# Altium PCB PCB1.PcbDoc
Units mil, origin at the board's own origin, x right, y up, seen from the top; angles counter-clockwise.
Board outline 4990 x 4025 mil, 2 copper layers (Top Layer, Bottom Layer); 70 components, 98 nets, 269 pads, 4 vias.
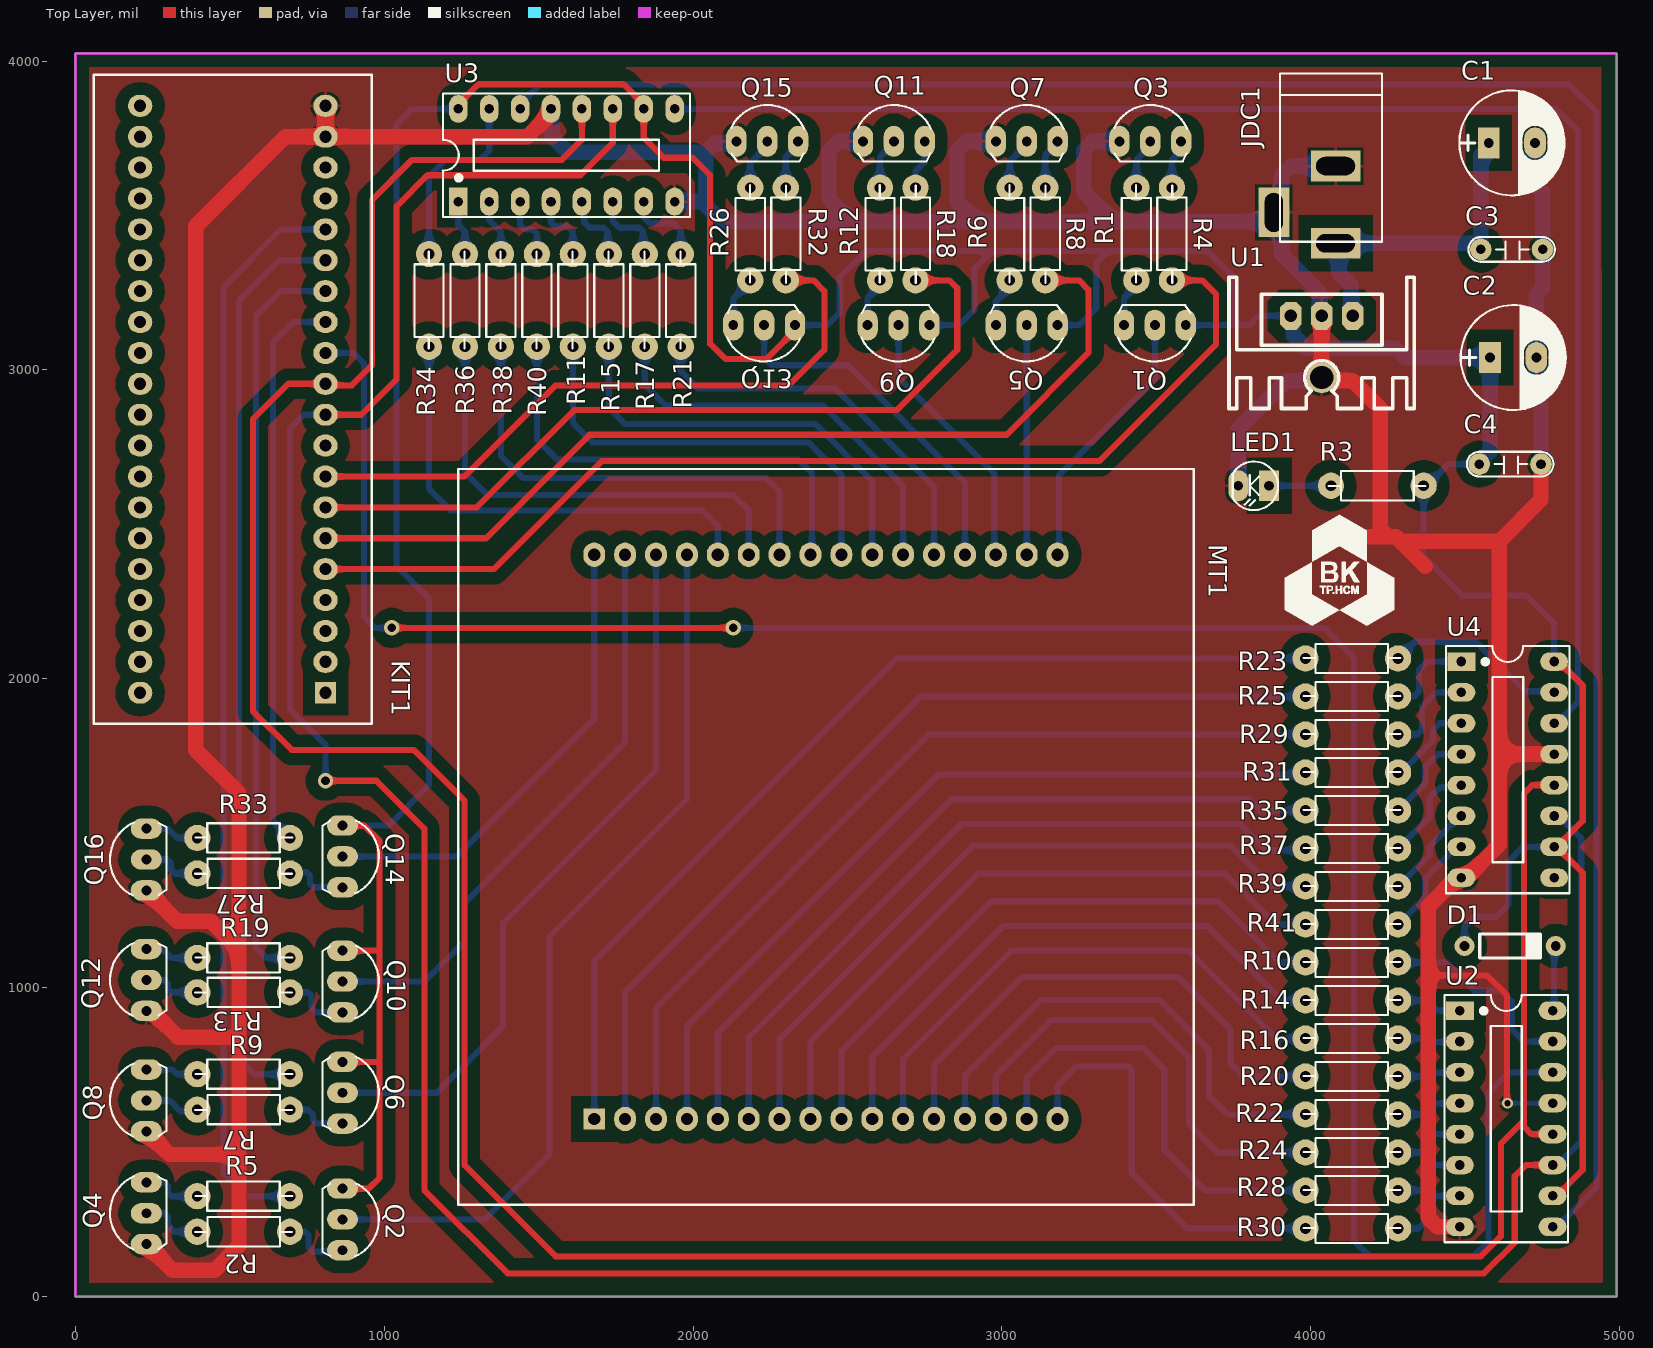
[diagram p0: Top Layer view]
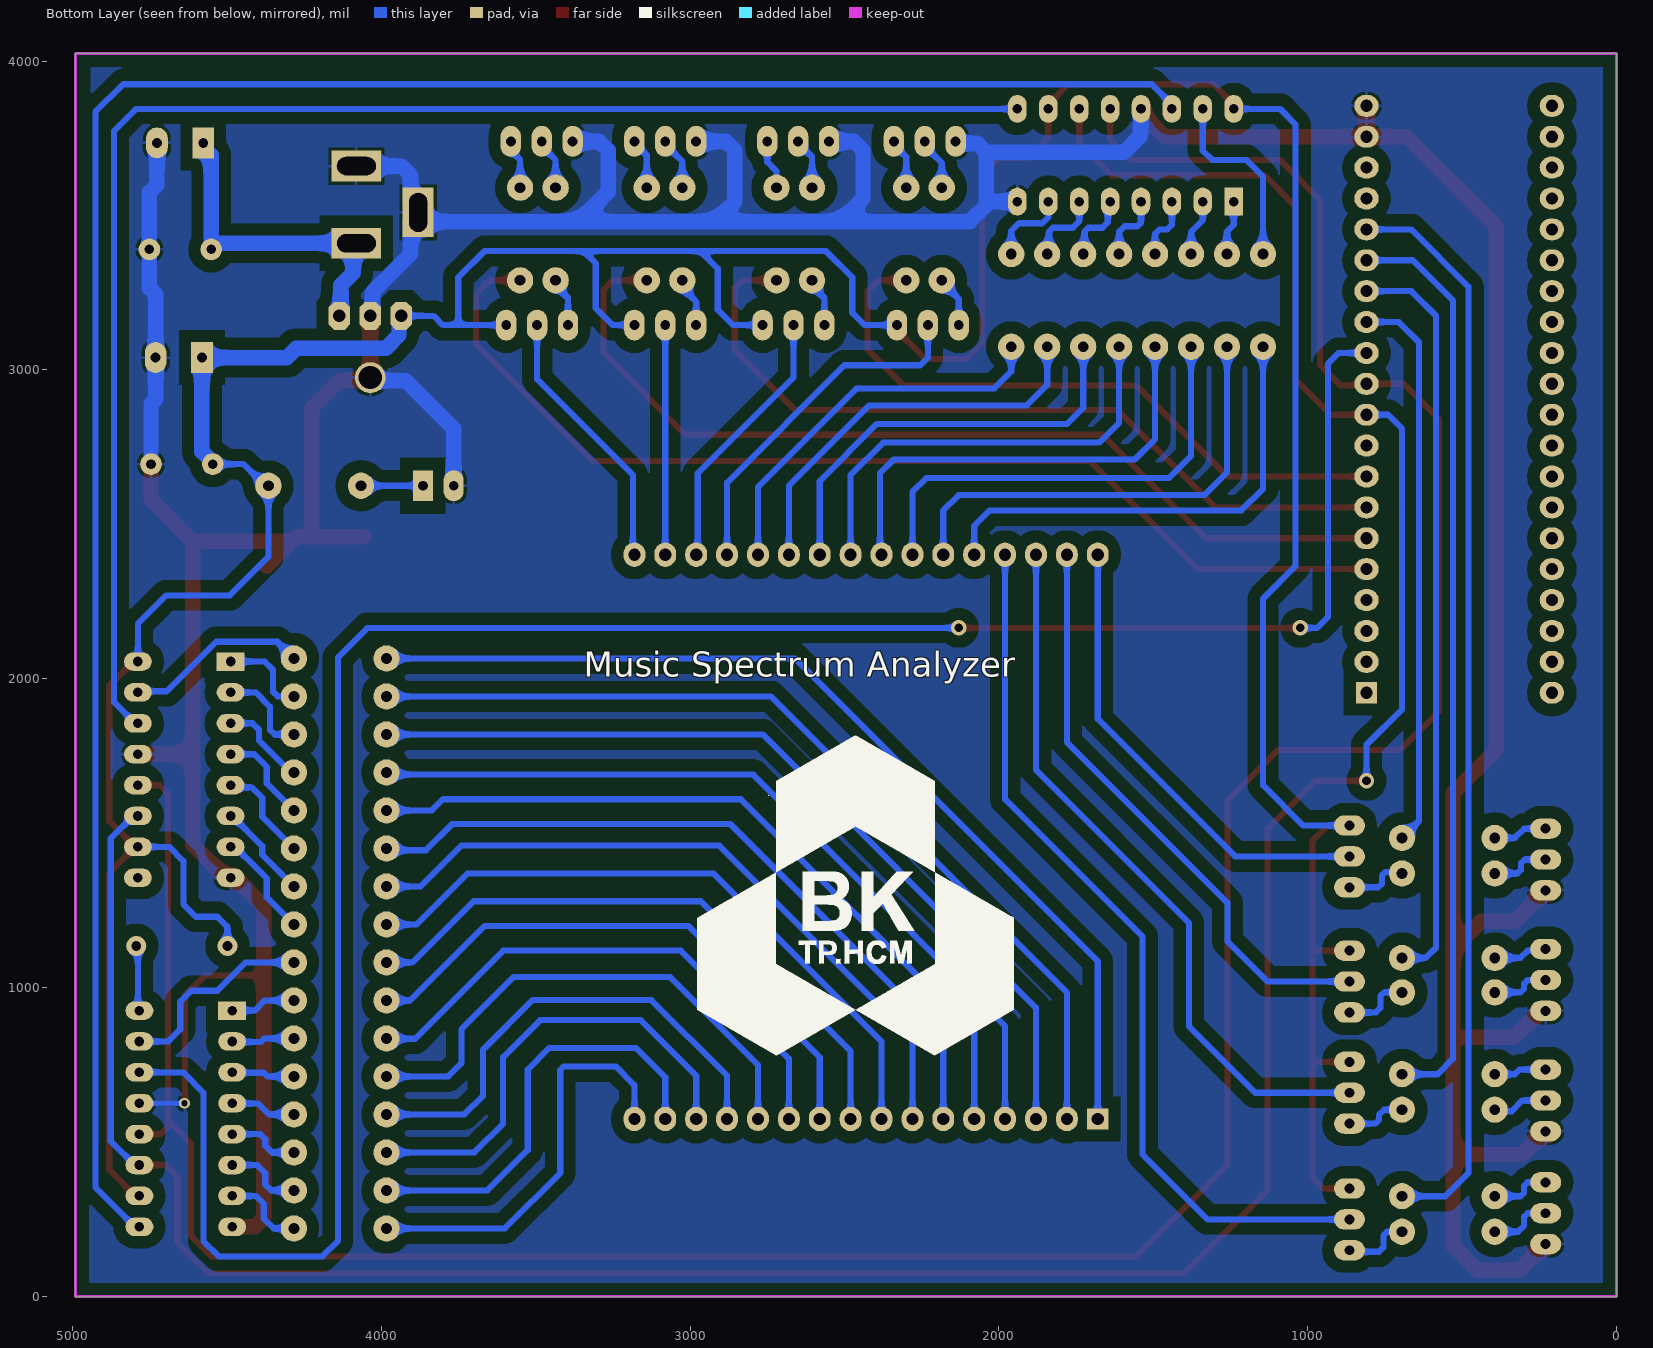
[diagram p1: Bottom Layer view, seen from below]
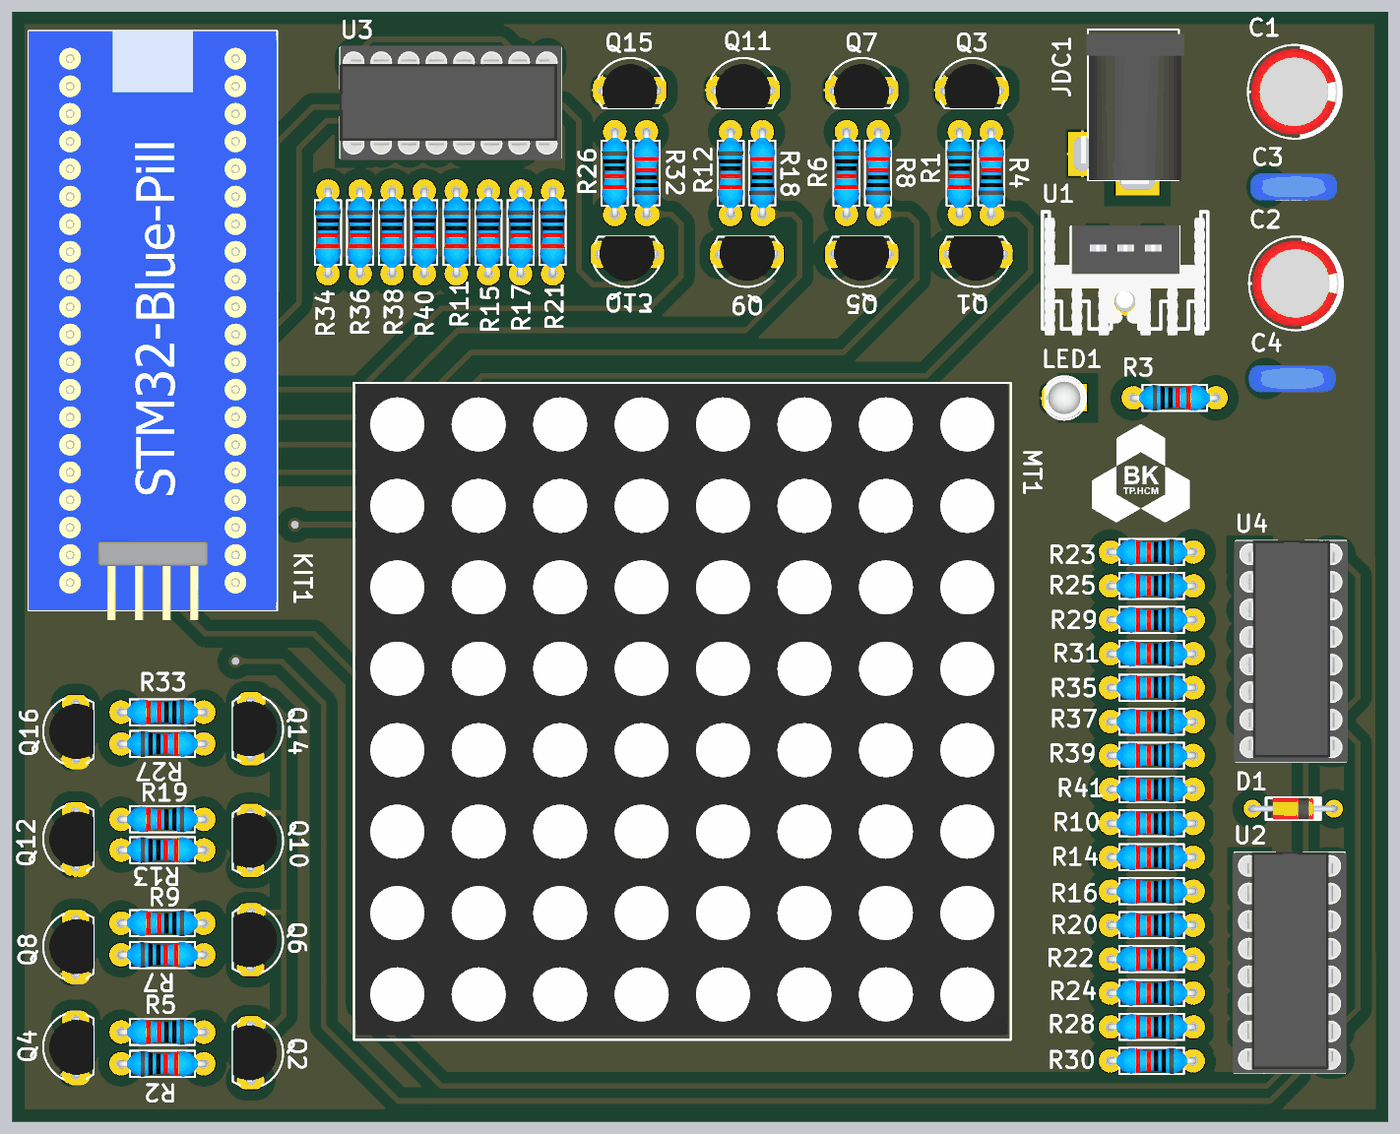
[diagram p2: 3D render of the assembled board from above, using the file's embedded part models]

## Layer stack, top to bottom
Top Solder: solder mask 0.4, Solder Resist, Dk 3.5
Top Layer: signal copper 1.4
Dielectric 1: dielectric 12.6, FR-4, Dk 4.8
Bottom Layer: signal copper 1.4
Bottom Solder: solder mask 0.4, Solder Resist, Dk 3.5

## Board outline
0,0 0,4025 4990,4025 4990,0

## Design rules (kind name [scope] priority, off if disabled: settings)
Clearance [All] p1: gap=40 ignorepadtopadclearanceinfootprint=FALSE
PolygonConnect [All] p1: connectstyle=Relief reliefconductorwidth=10 reliefentries=4 polygonreliefangle="90 Angle" airgapwidth=10
RoutingVias [All] p1: holewidth=20 width=35 viastyle="Through Hole" minholewidth=15 minwidth=20 maxholewidth=28 maxwidth=50
SilkToSilkClearance [IsText] p1: silktosilkclearance=10
SolderMaskExpansion [All] p1: expansion=4 istentingtop=FALSE
Width [All] p1: maxlimit=50 minlimit=15 preferedwidth=20
29 further rules are at their usual default settings.

## Components (designator, comment, footprint, x,y, rotation, side; value= is the part's Value field where it differs from the comment)
C1 "1000uF/16V" CP1.5/3.4 4575.63,3735 r0 top
C2 "1000uF/16V" CP1.5/3.4 4580,3040 r0 top
C3 "104" CN2 4650,3390 r180 top value=0.1uF
C4 "104" CN2 4645,2695 r180 top value=0.1uF
D1 "1N4148" DO-35 4645,1135 r180 top
JDC1 "Jack DC" DC-IN 3980,3535 r270 top value="Jac DC"
KIT1 "STM32F103C8T6" "STM32F103C8T6 BLUE PILL DEVELOPMENT BOARD" 810,1955 r180 top
LED1 "LED" LED-3 3865,2625 r180 top value="LED 3 ly Single Colour"
MT1 "2088RGB-5 LED Maxtrix 8x8" "LED 8x8 RGB" 1680,575 r90 top
Q1 "B562" QTO-92 3495,3145 r180 top value=A1015
Q2 "B562" QTO-92 865,250 r270 top value=A1015
Q3 "D468" QTO-92 3480,3740 r0 top value=C1815
Q4 "D468" QTO-92 230,270 r90 top value=C1815
Q5 "B562" QTO-92 3080,3145 r180 top value=A1015
Q6 "B562" QTO-92 865,660 r270 top value=A1015
Q7 "D468" QTO-92 3080,3740 r0 top value=C1815
Q8 "D468" QTO-92 230,635 r90 top value=C1815
Q9 "B562" QTO-92 2665,3145 r180 top value=A1015
Q10 "B562" QTO-92 865,1020 r270 top value=A1015
Q11 "D468" QTO-92 2650,3740 r0 top value=C1815
Q12 "D468" QTO-92 230,1025 r90 top value=C1815
Q13 "B562" QTO-92 2230,3145 r180 top value=A1015
Q14 "B562" QTO-92 865,1425 r270 top value=A1015
Q15 "D468" QTO-92 2240,3740 r0 top value=C1815
Q16 "D468" QTO-92 230,1415 r90 top value=C1815
R1 "82R" RES-1/4W-SMALL 3435,3450 r270 top value="R1/4W - 1K"
R2 "82R" RES-1/4W-SMALL 535,210 r0 top value="R1/4W - 1K"
R3 "330R" RES-1/4W-SMALL 4205,2625 r0 top value="R1/4W - 1K"
R4 "470R" RES-1/4W-SMALL 3550,3430 r90 top value="R1/4W - 1K"
R5 "470R" RES-1/4W-SMALL 555,325 r180 top value="R1/4W - 1K"
R6 "82R" RES-1/4W-SMALL 3025,3450 r270 top value="R1/4W - 1K"
R7 "82R" RES-1/4W-SMALL 535,605 r0 top value="R1/4W - 1K"
R8 "470R" RES-1/4W-SMALL 3140,3430 r90 top value="R1/4W - 1K"
R9 "470R" RES-1/4W-SMALL 555,720 r180 top value="R1/4W - 1K"
R10 "150R" RES-1/4W-SMALL 4142.39,1081.86 r180 top value="R1/4W - 1K"
R11 "100R" RES-1/4W-SMALL 1610.71,3235 r270 top value="R1/4W - 1K"
R12 "82R" RES-1/4W-SMALL 2605,3450 r270 top value="R1/4W - 1K"
R13 "82R" RES-1/4W-SMALL 535,985 r0 top value="R1/4W - 1K"
R14 "150R" RES-1/4W-SMALL 4142.39,958.84 r180 top value="R1/4W - 1K"
R15 "100R" RES-1/4W-SMALL 1727.14,3235 r270 top value="R1/4W - 1K"
R16 "150R" RES-1/4W-SMALL 4142.39,835.83 r180 top value="R1/4W - 1K"
R17 "100R" RES-1/4W-SMALL 1843.57,3235 r270 top value="R1/4W - 1K"
R18 "470R" RES-1/4W-SMALL 2720,3430 r90 top value="R1/4W - 1K"
R19 "470R" RES-1/4W-SMALL 555,1096.51 r180 top value="R1/4W - 1K"
R20 "150R" RES-1/4W-SMALL 4142.39,712.81 r180 top value="R1/4W - 1K"
R21 "100R" RES-1/4W-SMALL 1960,3235 r270 top value="R1/4W - 1K"
R22 "150R" RES-1/4W-SMALL 4142.39,589.79 r180 top value="R1/4W - 1K"
R23 "100R" RES-1/4W-SMALL 4142.39,2066 r180 top value="R1/4W - 1K"
R24 "150R" RES-1/4W-SMALL 4142.39,466.78 r180 top value="R1/4W - 1K"
R25 "100R" RES-1/4W-SMALL 4142.39,1942.98 r180 top value="R1/4W - 1K"
R26 "82R" RES-1/4W-SMALL 2185,3450 r270 top value="R1/4W - 1K"
R27 "82R" RES-1/4W-SMALL 535,1370 r0 top value="R1/4W - 1K"
R28 "150R" RES-1/4W-SMALL 4142.39,343.76 r180 top value="R1/4W - 1K"
R29 "100R" RES-1/4W-SMALL 4142.39,1819.96 r180 top value="R1/4W - 1K"
R30 "150R" RES-1/4W-SMALL 4142.39,220.74 r180 top value="R1/4W - 1K"
R31 "100R" RES-1/4W-SMALL 4142.39,1696.95 r180 top value="R1/4W - 1K"
R32 "470R" RES-1/4W-SMALL 2300,3430 r90 top value="R1/4W - 1K"
R33 "470R" RES-1/4W-SMALL 555,1485 r180 top value="R1/4W - 1K"
R34 "100R" RES-1/4W-SMALL 1145,3235 r270 top value="R1/4W - 1K"
R35 "100R" RES-1/4W-SMALL 4142.39,1573.93 r180 top value="R1/4W - 1K"
R36 "100R" RES-1/4W-SMALL 1261.43,3235 r270 top value="R1/4W - 1K"
R37 "100R" RES-1/4W-SMALL 4142.39,1450.91 r180 top value="R1/4W - 1K"
R38 "100R" RES-1/4W-SMALL 1377.86,3235 r270 top value="R1/4W - 1K"
R39 "100R" RES-1/4W-SMALL 4142.39,1327.89 r180 top value="R1/4W - 1K"
R40 "100R" RES-1/4W-SMALL 1494.29,3235 r270 top value="R1/4W - 1K"
R41 "100R" RES-1/4W-SMALL 4142.39,1204.88 r180 top value="R1/4W - 1K"
U1 "LM7805" TO220H3 4135,3175 r180 top
U2 "74HC595" DIP16 4482.39,926 r270 top
U3 "74HC595" DIP16 1240,3545 r0 top
U4 "74HC595" DIP16 4487.39,2056 r270 top

## Footprints (in the part's own frame and the unit in brackets; to place one, negate y for a bottom-side part, rotate by r counter-clockwise, add the part's x,y. Pads: shape width x height; smd on the part's side, far side on the other; paste and mask are expansions set on the pad)
CN2 [mil]
  round 70 hole 31: 1(-100,0) 2(100,0)
  silkscreen extent -140,-40 140,40, body extent -154,-49 161,50, height 407
CP1.5/3.4 [mil] "Tu hoa 220->470uF,16V, 470uF/16V,25V"
  rect 70x100 hole 32: 1(0,0)
  oval 70x100 hole 32: 2(150,0)
  silkscreen extent -95,-170 245,170, body extent -85,-157 230,157, height 446
DC-IN [mil] "Jac DC input"
  rect 100x160 hole 59.06 slot 125.98 at 90 deg: 1(125,100) 2(-125,100)
  rect 160x100 hole 59.06 slot 125.98 at 0 deg: 3(25,-100)
  silkscreen extent -425,-80 120,250, body extent -410,-105 134,269, height 434
DIP16 [mil] "16 PIN, W 300mil, Pin to pin 100mil"
  rect 60x90 hole 31: 1(0,0)
  oval 60x90 hole 31: 2(100,0) 3(200,0) 4(300,0) 5(400,0) 6(500,0) 7(600,0) 8(700,0) 9(700,300) 10(600,300) 11(500,300) 12(400,300) 13(300,300) 14(200,300) 15(100,300) 16(0,300)
  silkscreen extent -50,-50 750,350, body extent -52,-57 752,356, height 299
DO-35 [mm]
  round 1.65 hole 0.81: 1(3.75,0) 2(-3.75,0)
  silkscreen extent -2.5,-1 2.5,1, body extent -4.07,-1.01 4.07,1.01, height 2.21
"LED 8x8 RGB" [mm] "32 pins"
  rect 1.75x1.75 hole 1: 1(0,0)
  oval 2x1.8 hole 1: 2(0,-2.54) 3(0,-5.08) 4(0,-7.62) 5(0,-10.16) 6(0,-12.7) 7(0,-15.24) 8(0,-17.78) 9(0,-20.32) 10(0,-22.86) 11(0,-25.4) 12(0.006,-27.94) 13(0,-30.48) 14(0,-33.02) 15(0,-35.56) 16(0,-38.1) 17(46.4,-38.1) 18(46.4,-35.56) 19(46.4,-33.02) 20(46.4,-30.48) 21(46.4,-27.94) 22(46.4,-25.4) 23(46.4,-22.86) 24(46.4,-20.32) 25(46.4,-17.78) 26(46.4,-15.24) 27(46.4,-12.7) 28(46.4,-10.16) 29(46.4,-7.62) 30(46.4,-5.08) 31(46.4,-2.54) 32(46.4,0)
  silkscreen extent -7.05,-49.3 53.45,11.2, body extent -6.63,-49.05 53.37,10.95, height 9.2
LED-3 [mil] "LED 2 PIN, 3ly Only colour"
  rect 65x100 hole 32: 1(0,0)
  oval 65x100 hole 32: 2(100,0)
  silkscreen extent -29,-78 118,79, body extent -25,-75 113,75, height 217
QTO-92 [mil] "TO-92"
  oval 66x100 hole 32: 1(-100,0) 2(0,0) 3(100,0)
  silkscreen extent -117,-65 120,118, body extent -109,-66 109,95, height 245
RES-1/4W-SMALL [mil]
  round 85 hole 35: 1(-140,0) 2(160,0)
  silkscreen extent -148,-47 166,47, body extent -152,-47 172,47, height 97
"STM32F103C8T6 BLUE PILL DEVELOPMENT BOARD" [mm] "40 pins"
  rect 1.75x1.75 hole 1: 1(0,0)
  oval 2x1.8 hole 1: 2(0,-2.54) 3(0,-5.08) 4(0,-7.62) 5(0,-10.16) 6(0,-12.7) 7(0,-15.24) 8(0,-17.78) 9(0,-20.32) 10(0,-22.86) 11(0,-25.4) 12(0,-27.94) 13(0,-30.48) 14(0,-33.02) 15(0,-35.56) 16(0,-38.1) 17(0,-40.64) 18(0,-43.18) 19(0,-45.72) 20(0,-48.26) 21(15.24,-48.26) 22(15.24,-45.72) 23(15.24,-43.18) 24(15.24,-40.64) 25(15.24,-38.1) 26(15.24,-35.56) 27(15.24,-33.02) 28(15.24,-30.48) 29(15.24,-27.94) 30(15.24,-25.4) 31(15.24,-22.86) 32(15.24,-20.32) 33(15.24,-17.78) 34(15.24,-15.24) 35(15.24,-12.7) 36(15.24,-10.16) 37(15.24,-7.62) 38(15.24,-5.08) 39(15.24,-2.54) 40(15.24,0)
  silkscreen extent -3.81,-50.8 19.05,2.54, body extent -3.81,-50.8 19.05,3.48, height 3.54
TO220H3 [mil] "TO-220 1-2-3"
  oct 70x90 hole 40: 1(0,0) 2(100,0) 3(200,0)
  round 100 hole 75: 2(100,200)
  silkscreen extent -200,-125 400,300, body extent -190,-102 392,323, height 984

## Part data
C1 C2: library part CP4, "Cap 1000uF/16V - 220uF/50V", Description 1="2200uF-3300uF/6,3V - 1000uF-2200uF/10V", Description 2="1000uF/16V - 470uF => 1000uF/25V - 100uF/100V", Description 3=330uF>470uF/35V_220uF>470uF/50V_10uF>22uF/250V, Description 4="220uF => 330uF/63V - 10uF =>33uF/160 - 200V", Description 5="4,7uF>10uF/250V_3,3uF>10uF/400V - 2,2uF>4,7uF/450V"
C3 C4: library part CN2, "Cap np 104 => 105pF"
D1: library part "Diode Standard", "Diode Standard", Part Number="LED 3 ly Single Colour"
JDC1: library part DCIN, "Jac DC input"
KIT1: library part "Kit STM32F103C8T6 blue pill", "STM32F103C8T6 Blue Pill Development Board"
LED1: "LED Single colour Green and Red"
MT1: library part "LED 8x8 RGB", "32 pins"
Q1 Q2 Q5 Q6 Q9 Q10 Q13 Q14: library part PNP_ECB, "P 600mW, ECB"
Q3 Q4 Q7 Q8 Q11 Q12 Q15 Q16: library part NPN_ECB, "P 600mW, ECB"
R1 R2 R3 R4 R5 R6 R7 R8 R9 R10 R11 R12 R13 R14 R15 R16 R17 R18 R19 R20 R21 R22 R23 R24 R25 R26 R27 R28 R29 R30 R31 R32 R33 R34 R35 R36 R37 R38 R39 R40 R41: library part "RES 1/4W", "Resistor 1/4W"
U1: library part LM7815
U2 U3 U4: "8-Bit Serial-Input/Serial or Prallel-Output Shift Register with Latched 3-State Outputs", Code_JEDEC=MS-001-BB, ComponentLink1Description="Manufacturer Link", ComponentLink1URL=http://www.onsemi.com/, ComponentLink2Description=Datasheet, ComponentLink2URL=http://www.onsemi.com/pub/Collateral/MC74HC595A-D.PDF, DatasheetVersion=Mar-2000, PackageDescription="DIP; 16 Leads; Row Spacing 7.62 mm; Pitch 2.54 mm", PackageReference=648-08, PackageVersion=Apr-2000, Published=15-Apr-2002, Publisher="Altium Limited"

## Via types
v1: diameter 50, hole 28, Top Layer to Bottom Layer, tented both sides, 3 vias
v2: diameter 35, hole 20, Top Layer to Bottom Layer, tented both sides, 1 vias

## Nets (pads, with @x,y where several pads share a name; then routed paths per layer and width w, separated by ;. In a path a pad name is that pad's centre, name@x,y a point inside that pad or via, vN(x,y) a via of type N, cw(c..) or ccw(c..) an arc to the next point about the centre after c; other vN are vias at no path point)
+5V: C2.1 C4.2 D1.1 Q1.1 Q2.1 Q5.1 Q6.1 Q9.1 Q10.1 Q13.1 Q14.1 R3.2 U1.3 U2.10 U3.10 U3.16 U4.10 U4.16 | length 13757.2
  Top Layer w20: Q2.1 950,350 985,385 985,750 ; Q6.1 975,760 985,750 ; Q10.1 980,1120 985,1125 ; Q14.1 935,1525 985,1475 985,1125 ; U3.16 1240,3860 1305,3925 1775,3925 1840,3860 U3.10 1840,3751.72 1905,3686.72 1998.28,3686.72 2055,3630 2055,3085 2105,3035 2237,3035 2330,3128 Q13.1 ; U2.10 4796,326 4880,410 4880,1372 U4.10@4796,1456 ; U4.10 U4.10@4796,1456 ; U4.16 4802.39,2056 4880,1978.39 4880,1540 U4.10@4796,1456 ; 985,750 985,1125
  Bottom Layer w20: Q14.1 1015,1525 1145,1655 1145,2260 1040,2365 1040,3795 1090,3845 U3.16 ; Q13.1 2435,3145 2475,3185 2475,3300 2560,3385 2966.72,3385 ; Q9.1 2860,3145 2910,3195 2910,3328.28 2966.72,3385 ; Q5.1 3250,3145 3305,3200 3305,3345 3345,3385 ; Q1.1 3750,3145 ; U1.3 3830,3175 3800,3145 3750,3145 ; D1.1 4497.36,1197.36 4530,1230 4600,1230 4640,1270 4640,1410 4686,1456 U4.10 ; C4.2 4445,2695 4375,2625 R3.2 4365,2395 4490,2270 4695,2270 4787.39,2177.61 U4.16 ; 2966.72,3385 3345,3385 ; 3345,3385 3665,3385 3750,3300 3750,3145
  Bottom Layer w50: U1.3 3942.14,3167.86 3942.14,3112.86 3985,3070 4275,3070 4305,3040 C2.1 4580,2735.41 4545,2700.41 C4.2
B1: MT1.1 R23.2 | length 3218.7
  Bottom Layer w20: MT1.1 1680,1085 2661,2066 R23.2
B2: MT1.2 R25.2 | length 3009.2
  Bottom Layer w20: MT1.2 1780,985 2737.98,1942.98 R25.2
B3: MT1.3 R29.2 | length 2828.9
  Bottom Layer w20: MT1.3 1880,935 2764.96,1819.96 R29.2
B4: MT1.4 R31.2 | length 2642.8
  Bottom Layer w20: MT1.4 1980,875 2795,1690 3975.44,1690 R31.2
B5: MT1.5 R35.2 | length 2510.1
  Bottom Layer w20: MT1.5 2080,855 2835,1610 3800,1610 3836.07,1573.93 R35.2
B6: MT1.6 R37.2 | length 2390.8
  Bottom Layer w20: MT1.6 2180,840 2870,1530 3770,1530 3855,1445 3976.47,1445 R37.2
B7: MT1.7 R39.2 | length 2276
  Bottom Layer w20: MT1.7 2280,835 2905,1460 3740,1460 3872.11,1327.89 R39.2
B8: MT1.8 R41.2 | length 2146.5
  Bottom Layer w20: MT1.8 2380,825 2925,1370 3720,1370 3885.12,1204.88 R41.2
B_Q0: R23.1 U4.15 | length 595.3
  Bottom Layer w20: R23.1 4336.39,2120 4533.74,2120 4693.74,1960 4783.39,1960 U4.15
B_Q1: R25.1 U4.1 | length 294.2
  Bottom Layer w20: R25.1 4335.31,1942.98 4350,1957.67 4350,2030 4376,2056 U4.1
B_Q2: R29.1 U4.2 | length 305.3
  Bottom Layer w20: R29.1 4344.96,1819.96 4360,1835 4360,1910 4406,1956 U4.2
B_Q3: R31.1 U4.3 | length 291
  Bottom Layer w20: R31.1 4291.94,1696.95 4395,1800 4395,1834.28 4416.72,1856 U4.3
B_Q4: R35.1 U4.4 | length 319.6
  Bottom Layer w20: R35.1 4282.39,1587.39 4295.84,1587.39 4370,1661.54 4370,1715 4411,1756 U4.4
B_Q5: R37.1 U4.5 | length 326
  Bottom Layer w20: R37.1 4385,1553.53 4385,1615 4418.35,1648.35 4479.73,1648.35 U4.5
B_Q6: R39.1 U4.6 | length 315.8
  Bottom Layer w20: R39.1 4385,1430.51 4385,1458.28 4482.72,1556 U4.6
B_Q7: R41.1 U4.7 | length 344.8
  Bottom Layer w20: R41.1 4370,1292.49 4370,1353.61 4472.39,1456 U4.7
DS: KIT1.12 U2.14 | length 7298.5
  Top Layer w20: v1(1025,2165) v1(2130,2165)
  Bottom Layer w20: KIT1.12 900,3055 935,3020 935,2200 970,2165 v1(1025,2165) ; v1(2130,2165) 4043.28,2165 4140,2068.28 4140,180 4190,130 4525,130 4575,180 4575,660 4641,726 U2.14
G1: MT1.28 R34.2 | length 1537.9
  Bottom Layer w20: R34.2 1145,2615 1215,2545 2030,2545 2080,2495 MT1.28
G2: MT1.27 R36.2 | length 1519.4
  Bottom Layer w20: R36.2 1261.43,2668.57 1335,2595 2130,2595 2180,2545 MT1.27
G3: MT1.26 R38.2 | length 1506.8
  Bottom Layer w20: R38.2 1377.86,2722.14 1450,2650 2235,2650 2280,2605 MT1.26
G4: MT1.25 R40.2 | length 1501.2
  Bottom Layer w20: R40.2 1494.29,2775.71 1560,2710 2340,2710 2385,2665 2385,2406.77 MT1.25
G5: MT1.24 R11.2 | length 1443.3
  Bottom Layer w20: R11.2 1610.71,2829.29 1675,2765 2375,2765 2480,2660 MT1.24
G6: MT1.23 R15.2 | length 1387.2
  Bottom Layer w20: R15.2 1727.14,2877.14 1779.28,2825 2395,2825 2580,2640 MT1.23
G7: MT1.22 R17.2 | length 1318.4
  Bottom Layer w20: R17.2 1843.57,2951.43 1910,2885 2420,2885 2680,2625 MT1.22
G8: MT1.21 R21.2 | length 1273.6
  Bottom Layer w20: R21.2 1960,2995 2015,2940 2460,2940 2780,2620 MT1.21
G_Q0: R34.1 U3.15 | length 615.2
  Bottom Layer w20: R34.1 1145,3625 1200,3680 1310,3680 1340,3710 U3.15
G_Q1: R36.1 U3.1 | length 178.9
  Bottom Layer w20: U3.1 1240,3470 1261.43,3448.57 R36.1
G_Q2: R38.1 U3.2 | length 185.7
  Bottom Layer w20: U3.2 1340,3485 1377.5,3447.5 1377.5,3375.36 R38.1
G_Q3: R40.1 U3.3 | length 207.1
  Bottom Layer w20: U3.3 1440,3470 1455,3455 1480,3455 1494.29,3440.71 R40.1
G_Q4: R11.1 U3.4 | length 223.6
  Bottom Layer w20: U3.4 1540,3476.72 1551.72,3465 1593.28,3465 1610.71,3447.57 R11.1
G_Q5: R15.1 U3.5 | length 232.8
  Bottom Layer w20: U3.5 1647.65,3537.35 1647.65,3477.35 1665,3460 1710.5,3460 1723,3447.5 1723,3379.14 R15.1
G_Q6: R17.1 U3.6 | length 250.3
  Bottom Layer w20: U3.6 1740,3481.72 1761.72,3460 1825.5,3460 1838,3447.5 1838,3380.57 R17.1
G_Q7: R21.1 U3.7 | length 263.6
  Bottom Layer w20: U3.7 1840,3495 1860,3475 1935,3475 1960,3450 R21.1
G_Q7S: U3.9 U4.14 | length 4909.2
  Bottom Layer w20: U3.9 4793.28,3845 4865,3773.28 4865,1925 4796,1856 U4.14
GND: C1.2 C2.2 C3.1 C4.1 JDC1.2 JDC1.3 KIT1.19 KIT1.20 LED1.2 Q3.1 Q4.1 Q7.1 Q8.1 Q11.1 Q12.1 Q15.1 Q16.1 U1.2 U2.8 U2.13 U3.8 U3.13 U4.8 U4.13 | length 17800.8
  Top Layer w20: 4380,1040 4570,1040 4635,975 4635,627 v2(4636,626)
  Top Layer w50: Q4.1 242.67,170 250.06,162.61 250.06,149.94 315,85 450,85 530,165 530,460 ; Q8.1 242.67,535 250.06,527.61 250.06,514.94 305,460 530,460 ; Q12.1 247,925 332,840 510,840 530,820 ; Q16.1 242.67,1315 250.06,1307.61 250.06,1294.94 330,1215 440,1215 530,1125 ; KIT1.20 KIT1.19 ; U3.13 1540,3831.01 1463.99,3755 KIT1.19 ; U1.2@4035,3175 4035,2975 4044.57,2965.43 4134.57,2965.43 4225,2875 4225,2485 4250,2460 ; 4055,2460 4250,2460 ; 4370,2365 4290,2445 ; U2.8 4409.29,226 4380,255.29 4380,1040 4380,1263.61 4469.12,1352.73 4484.12,1352.73 U4.8 4502.39,1356 4610,1463.61 4610,1756 ; C4.1 4745,2580 4610,2445 ; U4.13 4610,1756 ; 530,460 530,820 ; 530,820 530,1125 ; 530,1125 530,1630 390,1770 390,3465 680,3755 KIT1.19 ; 4250,2460 4275,2460 4290,2445 ; 4290,2445 4610,2445 ; 4610,1756 4610,2445
  Bottom Layer w15: v2(4636,626) U2.13
  Bottom Layer w50: Q16.1@213,1315 Q16.1 ; U3.13 1541.91,3843.09 1541.91,3758.09 1595.71,3704.29 2040.71,3704.29 ; U3.8 2030,3545 2040.71,3534.29 ; Q15.1 2133.58,3733.58 2070,3733.58 2040.71,3704.29 ; Q11.1 2469.29,3740 2440,3710.71 2440,3555 2515,3480 ; Q7.1 2884.29,3740 2855,3710.71 2855,3545 2920,3480 ; Q3.1 3294.29,3740 3265,3710.71 3265,3576.79 3361.79,3480 ; LED1.2 3765,2810 3920.43,2965.43 4025.43,2965.43 U1.2@4035,2975 ; U1.2@4035,3175 4027.86,3182.14 4027.86,3252.14 3905,3375 3905,3485 JDC1.3 ; JDC1.2 3934.29,3660 3905,3630.71 3905,3535 JDC1.3 ; C1.2 4725.63,3599.37 4750,3575 C3.1 4750,3265 4730,3245 C2.2 4730,2905 4745,2890 C4.1 ; 2040.71,3534.29 2040.71,3704.29 ; 2040.71,3534.29 2095,3480 2515,3480 ; 2515,3480 2920,3480 ; 2920,3480 3361.79,3480 ; 3361.79,3480 3855,3480 3880,3505 JDC1.3
NetC1_1: C1.1 C3.2 JDC1.1 U1.1 | length 1058
  Bottom Layer w50: U1.1 4130,3180 4130,3275 4090.71,3314.29 4090.71,3385 4080,3395.71 JDC1.1 4090.71,3410 C3.2@4524.59,3410 ; C3.2 4550,3694.37 4575.63,3720 C1.1
NetD1_2: D1.2 U2.16 | length 213.2
  Bottom Layer w20: U2.16 4787.51,931.13 4787.51,1129.87 D1.2
NetLED1_1: LED1.1 R3.1 | length 200
  Bottom Layer w20: LED1.1 R3.1
NetQ1_3: Q1.3 R1.2 | length 161.6
  Bottom Layer w20: Q1.3 3395,3232.41 3435,3272.41 R1.2
NetQ2_3: Q2.3 R2.2 | length 221.4
  Bottom Layer w20: R2.2 743.28,210 755,198.28 755,160 770,145 860,145 Q2.3
NetQ3_2: Q3.2 R1.1 | length 168.6
  Bottom Layer w20: R1.1 3435,3680 3480,3725 Q3.2
NetQ3_3: Q3.3 R4.2 | length 162.4
  Bottom Layer w20: R4.2 3550,3680.55 3580,3710.55 Q3.3
NetQ4_2: Q4.2 R2.1 | length 206.4
  Bottom Layer w20: Q4.2 288.28,270 300,258.28 300,230 320,210 R2.1
NetQ4_3: Q4.3 R5.2 | length 203.3
  Bottom Layer w20: Q4.3@235,375 Q4.3 288.28,370 300,358.28 300,336.72 311.72,325 R5.2
NetQ5_3: Q5.3 R6.2 | length 167.8
  Bottom Layer w20: Q5.3 2980,3220 3035,3275 R6.2@3035,3290
NetQ6_3: Q6.3 R7.2 | length 198.3
  Bottom Layer w20: R7.2 753.28,605 770,588.28 770,571.72 781.72,560 Q6.3
NetQ7_2: Q7.2 R6.1 | length 172.8
  Bottom Layer w20: R6.1 3025,3675 3080,3730 Q7.2
NetQ7_3: Q7.3 R8.2 | length 166.6
  Bottom Layer w20: R8.2 3140,3695 3180,3735 Q7.3
NetQ8_2: Q8.2 R7.1 | length 181.6
  Bottom Layer w20: Q8.2 305,635 340,600 390,600 R7.1
NetQ8_3: Q8.3 R9.2 | length 171.2
  Bottom Layer w20: Q8.3 315,735 330,720 R9.2
NetQ9_3: Q9.3 R12.2 | length 161.6
  Bottom Layer w20: Q9.3 2565,3232.41 2605,3272.41 R12.2
NetQ10_3: Q10.3 R13.2 | length 219.4
  Bottom Layer w20: R13.2 753.28,985 765,973.28 765,935 780,920 Q10.3
NetQ11_2: Q11.2 R12.1 | length 168.6
  Bottom Layer w20: R12.1 2605,3690 2650,3735 Q11.2
NetQ11_3: Q11.3 R18.2 | length 162.4
  Bottom Layer w20: R18.2 2720,3643.28 2750,3673.28 Q11.3
NetQ12_2: Q12.2 R13.1 | length 191.3
  Bottom Layer w20: Q12.2 288.28,1025 300,1013.28 300,996.72 311.72,985 R13.1
NetQ12_3: Q12.3 R19.2 | length 176.8
  Bottom Layer w20: Q12.3 235,1120 288.28,1120 311.77,1096.51 R19.2
NetQ13_3: Q13.3 R26.2 | length 167.8
  Bottom Layer w20: Q13.3 2130,3230 2185,3285 R26.2
NetQ14_3: Q14.3 R27.2 | length 208.3
  Bottom Layer w20: R27.2 700,1375 748.28,1375 760,1363.28 760,1336.72 771.72,1325 Q14.3
NetQ15_2: Q15.2 R26.1 | length 172.8
  Bottom Layer w20: R26.1 2185,3670 2240,3725 Q15.2
NetQ15_3: Q15.3 R32.2 | length 166.6
  Bottom Layer w20: R32.2 2300,3690 2340,3730 Q15.3
NetQ16_2: Q16.2 R27.1 | length 196.3
  Bottom Layer w20: Q16.2 298.28,1415 310,1403.28 310,1381.72 321.72,1370 R27.1
NetQ16_3: Q16.3 R33.2 | length 179.5
  Top Layer w20: R33.2@393.54,1483.54 R33.2
  Bottom Layer w20: Q16.3 300,1515 330,1485 R33.2
R1: MT1.9 R10.2 | length 2005.4
  Bottom Layer w20: MT1.9 2480,795 2965,1280 3700,1280 3898.14,1081.86 R10.2
R2: MT1.10 R14.2 | length 1878.3
  Bottom Layer w20: MT1.10 2580,775 3005,1200 3665,1200 3906.16,958.84 R14.2
R3: MT1.11 R16.2 | length 1760.8
  Bottom Layer w20: MT1.11 2680,770 3030,1120 3605,1120 3890,835 3981.56,835 R16.2
R4: MT1.12 R20.2 | length 1693.1
  Bottom Layer w20: MT1.12 2780,750 3065,1035 3570,1035 3740,865 3740,755 3782.19,712.81 R20.2
R5: MT1.13 R22.2 | length 1585.1
  Bottom Layer w20: MT1.13 2880,715 3125,960 3510,960 3670,800 3670,650 3730.21,589.79 R22.2
R6: MT1.14 R24.2 | length 1520.3
  Bottom Layer w20: MT1.14 2980,715 3160,895 3485,895 3605,775 3605,560 3698.23,466.78 R24.2
R7: MT1.15 R28.2 | length 1420.1
  Bottom Layer w20: MT1.15 3080,710 3175,805 3455,805 3525,735 3525,475 3656.24,343.76 R28.2
R8: MT1.16 R30.2 | length 1349.6
  Bottom Layer w20: MT1.16 3180,685 3240,745 3408.28,745 3420,733.28 3420,400 3599.26,220.74 R30.2
R_Q0: R10.1 U2.15 | length 658.7
  Bottom Layer w20: R10.1 4438.14,1081.86 4530,990 4615,990 4650,955 4650,865 4689,826 U2.15
R_Q1: R14.1 U2.1 | length 213.6
  Bottom Layer w20: R14.1 4376.16,958.84 4409,926 U2.1
R_Q2: R16.1 U2.2 | length 219.5
  Bottom Layer w20: R16.1@4287.3,830.91 R16.1 4378.28,835.83 4390,824.11 4480.5,824.11 U2.2 U2.2@4477.47,830.91
R_Q3: R20.1 U2.3 | length 214.8
  Bottom Layer w20: R20.1@4288.98,719.4 R20.1 4367.81,712.81 4380,725 4481.39,725 U2.3
R_Q4: R22.1 U2.4 | length 215
  Bottom Layer w20: R22.1 4363.28,589.79 4398.49,625 4481.39,625 U2.4
R_Q5: R24.1 U2.5 | length 237.1
  Bottom Layer w20: R24.1 4353.23,466.78 4375,488.55 4375,510 4391,526 U2.5
R_Q6: R28.1 U2.6 | length 256
  Bottom Layer w20: R28.1 4356.24,343.76 4375,362.52 4375,400 4401,426 U2.6
R_Q7: R30.1 U2.7 | length 271.4
  Bottom Layer w20: R30.1 4348.28,220.74 4380,252.46 4380,300 4406,326 U2.7
R_Q7S: U2.9 U3.14 | length 7241.1
  Bottom Layer w20: U3.14 1440,3860 1505,3925 4835,3925 4925,3835 4925,353.61 4797.39,226 U2.9
Row1: MT1.17 Q1.2 | length 873.7
  Bottom Layer w20: MT1.17 3185,2406.77 3185,2660 3495,2970 Q1.2
Row2: MT1.18 Q5.2 | length 743.2
  Bottom Layer w20: MT1.18 Q5.2
Row3: MT1.19 Q9.2 | length 873.7
  Bottom Layer w20: Q9.2 2665,2975 2975,2665 2975,2406.77 MT1.19
Row4: MT1.20 Q13.2 | length 1156
  Bottom Layer w20: Q13.2 2230,3040 2255,3015 2500,3015 2880,2635 MT1.20
Row5: MT1.29 Q2.2 | length 2883.1
  Bottom Layer w20: Q2.2 1325,250 1535,460 1535,1165 1980,1610 MT1.29
Row6: MT1.30 Q6.2 | length 2340.9
  Bottom Layer w20: Q6.2 1170,660 1385,875 1385,1210 1880,1705 MT1.30
Row7: MT1.31 Q10.2 | length 1916
  Bottom Layer w20: Q10.2 1130,1020 1260,1150 1260,1275 1780,1795 MT1.31
Row8: MT1.32 Q14.2 | length 1531.1
  Bottom Layer w20: Q14.2 1235,1425 1680,1870 MT1.32
Rw1: KIT1.5 R4.1 | length 3508.6
  Top Layer w20: KIT1.5 1355,2355 1705,2705 3315,2705 3693.28,3083.28 3693.28,3245 3648.28,3290 R4.1
Rw2: KIT1.6 R8.1 | length 3076
  Top Layer w20: KIT1.6 1330,2455 1665,2790 3015,2790 3280,3055 3280,3260 3250,3290 R8.1
Rw3: KIT1.7 R18.1 | length 2601.6
  Top Layer w20: KIT1.7 1300,2555 1615,2870 2660,2870 2855,3065 2855,3265 2830,3290 R18.1
Rw4: KIT1.8 R32.1 | length 2114.3
  Top Layer w20: KIT1.8 1260,2655 1555,2950 2310,2950 2425,3065 2425,3255 2390,3290 R32.1
Rw5: KIT1.16 R5.1 | length 3522.7
  Bottom Layer w20: R5.1 555,325 480,400 480,3270 665,3455 KIT1.16
Rw6: KIT1.15 R9.1 | length 2974.6
  Bottom Layer w20: R9.1 580,720 530,770 530,3225 660,3355 KIT1.15
Rw7: KIT1.14 R19.1 | length 2427
  Bottom Layer w20: R19.1 618.49,1096.51 585,1130 585,3175 665,3255 KIT1.14
Rw8: KIT1.13 R33.1 | length 1824.7
  Bottom Layer w20: R33.1 640,1540 640,3090 705,3155 KIT1.13
SHCP: KIT1.10 U2.11 U3.11 U4.11 | length 9865.8
  Top Layer w20: v1(810,1670) 975,1670 1130,1515 1130,345 1400,75 4560,75 4660,175 4660,390 4696,426 U2.11 ; KIT1.10 925,2855 1040,2970 1040,3530 1140,3630 1635,3630 1740,3735 U3.11
  Bottom Layer w20: v1(810,1670) 810,1786.72 695,1901.72 695,2810 740,2855 KIT1.10 ; U2.11 4797.39,426 4875,503.61 4875,1483.39 4802.39,1556 U4.11
STCP: KIT1.11 U2.12 U3.12 U4.12 | length 9981.1
  Top Layer w20: U3.12 1640,3745 1575,3680 1090,3680 960,3550 960,3015 895,2950 815,2950 KIT1.11 690,2955 575,2840 575,1895 700,1770 1095,1770 1260,1605 1260,425 1555,130 4550,130 4615,195 4615,495 4685,565 ; U2.12 4714,526 4690,550 4690,565 4690,1630 4716,1656 U4.12
pads on no net: KIT1.1 KIT1.2 KIT1.3 KIT1.4 KIT1.9 KIT1.17 KIT1.18 KIT1.21 KIT1.22 KIT1.23 KIT1.24 KIT1.25 KIT1.26 KIT1.27 KIT1.28 KIT1.29 KIT1.30 KIT1.31 KIT1.32 KIT1.33 KIT1.34 KIT1.35 KIT1.36 KIT1.37 KIT1.38 KIT1.39 KIT1.40 U4.9

## Polygon pours and split planes (outlines as drawn)
GND on Top Layer "Top_Poly" (solid, pour order 7): 0,4025 4985,4025 4985,5 4980,0 0,0
GND on Bottom Layer "Bottom_Poly" (solid, pour order 8): 0,4025 4985,4025 4985,0 0,0

## Keep-outs
Keep-Out Layer:
  the board outline again, w10

## Silkscreen, mask and mechanical layers (free items; w line width, h text height)
Top Overlay:
  drawing of 9 lines, arcs and shapes, not listed
Bottom Overlay:
  drawing of 10 lines, arcs and shapes, not listed
  text "Music Spectrum Analyzer" at 3344.72,2006.66 h80